# Altium PCB CableNodeRevF Export in PCB ASCII Format.PcbDoc (part 1 of 4) (continued)
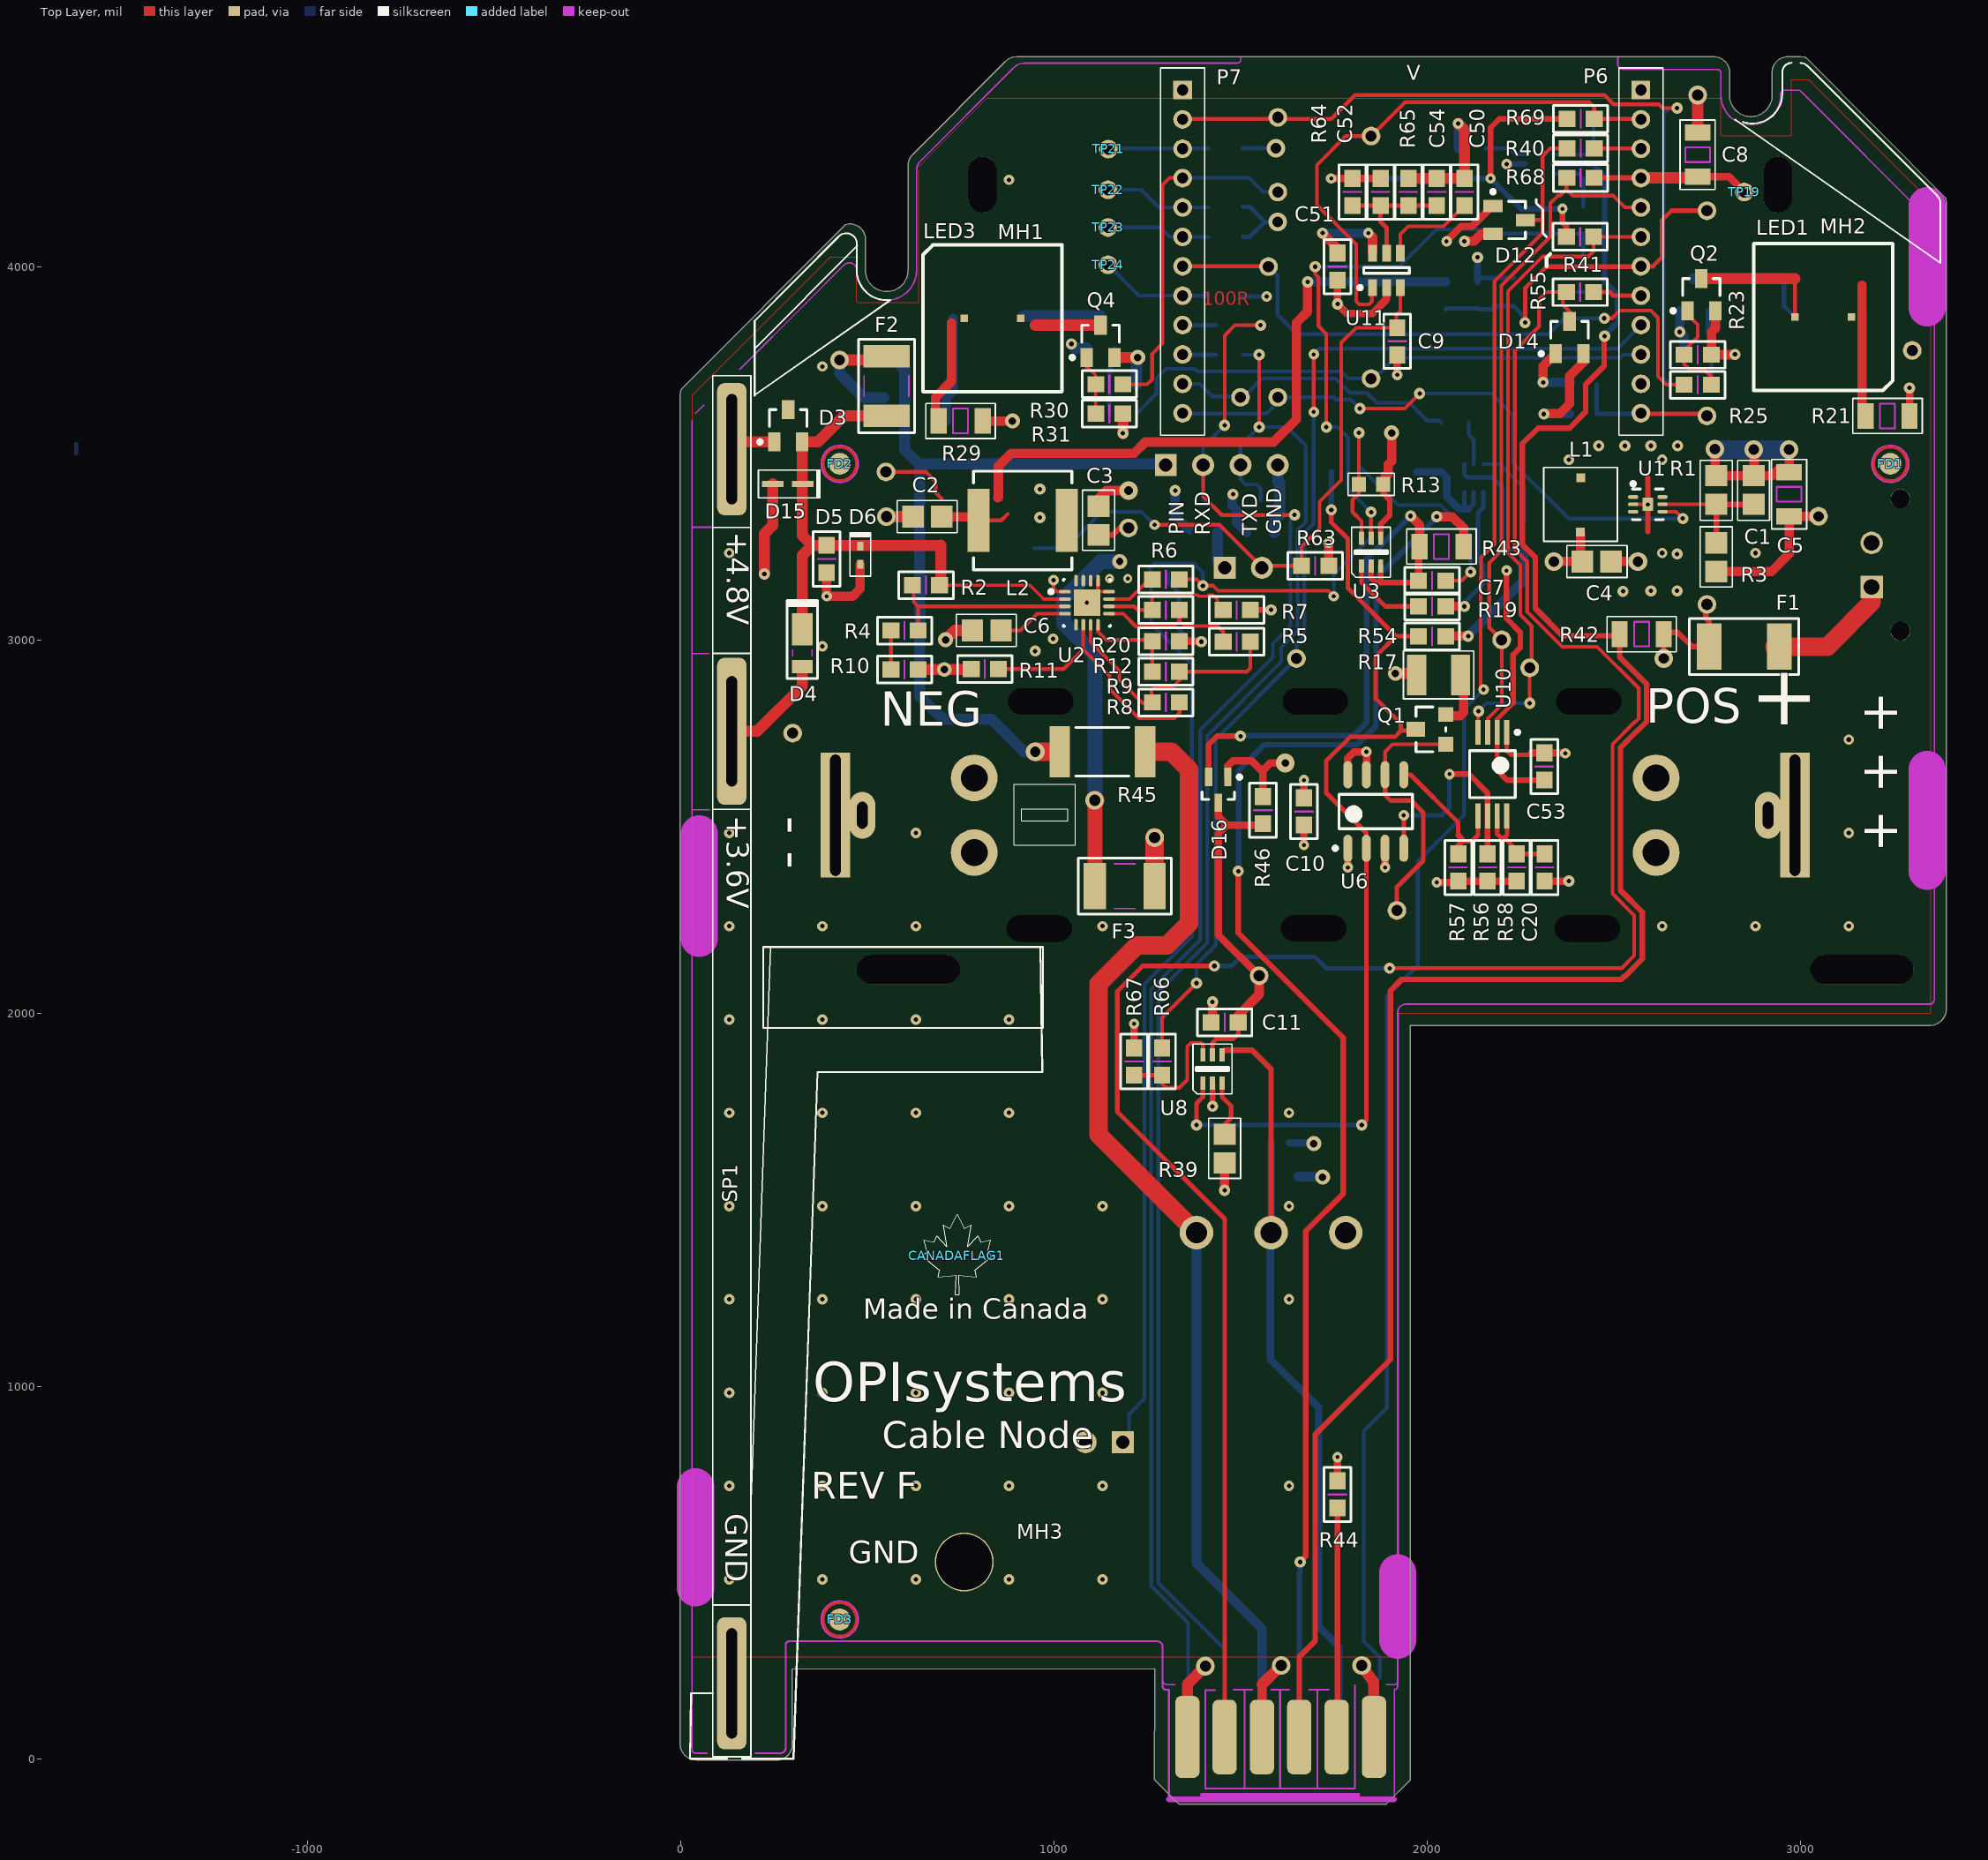
[diagram p0: Top Layer view]
## Design rules (kind name [scope] priority, off if disabled: settings)
AssemblyTestPointUsage [All] p0 off: scope1count=1 scope1_0_kind=Board scope1_0_value=Board scope2count=1 scope2_0_kind=Board scope2_0_value=Board commentlength=0
AssemblyTestPointUsage [All] p1 off: valid=2
AssemblyTestpoint [All] p0 off: scope1count=1 scope1_0_kind=Board scope1_0_value=Board scope2count=1 scope2_0_kind=Board scope2_0_value=Board commentlength=0
AssemblyTestpoint [All] p1 off: testpointundercomponent=TRUE minsize=40 maxsize=100 preferedsize=60 minholesize=0 maxholesize=40 preferedholesize=32 testpointgrid=1 usegrid=TRUE gridtolerance=0.01 allowsidetop=TRUE allowsidebottom=TRUE
Clearance Clearance_VBAT_POS [All] p0: scope1count=1 scope1_0_kind=Net scope1_0_value=VBAT_POS scope2count=1 scope2_0_kind=Board scope2_0_value=Board commentlength=0 gap=20
Clearance Clearance_U10 [All] p0: scope1count=1 scope1_0_kind=Component scope1_0_value=U10 scope2count=1 scope2_0_kind=Board scope2_0_value=Board commentlength=0 gap=5
Clearance Clearance_U2 [All] p0: scope1count=1 scope1_0_kind=Component scope1_0_value=U2 scope2count=1 scope2_0_kind=Board scope2_0_value=Board commentlength=0 gap=7.5
Clearance Clearance_Polies [All] p0 off: scope1count=1 scope1_0_kind=Board scope1_0_value=Board scope2count=1 scope2_0_kind=Board scope2_0_value=Board commentlength=98 gap=10 // Protel DXP Scope 1 Expression Was: (InNamedPolygon('Top GND') OR InNamedPolygon('Bottom GND'))
Clearance Clearance_SP1 [All] p0: scope1count=1 scope1_0_kind=Component scope1_0_value=SP1 scope2count=1 scope2_0_kind=Board scope2_0_value=Board commentlength=0 gap=30
Clearance Clearance_BATT1 [All] p0: scope1count=1 scope1_0_kind=Component scope1_0_value=BATT1 scope2count=1 scope2_0_kind=Board scope2_0_value=Board commentlength=0 gap=20
Clearance Clearance_1 [All] p0: scope1count=1 scope1_0_kind=Board scope1_0_value=Board scope2count=1 scope2_0_kind=Board scope2_0_value=Board commentlength=0 gap=8
Clearance Clearance_U10 [InComponent('U10')] p1: gap=5
Clearance Clearance_U2 [InComponent('U2')] p2: gap=7.5
Clearance Clearance_1 [All] p3: gap=8
Clearance Clearance_Polies [(InNamedPolygon('Top GND') OR InNamedPolygon('Bottom GND'))] p4: gap=10
Clearance Clearance_VBAT_POS [InNet('VBAT_POS')] p5: gap=20
Clearance Clearance_BATT1 [InComponent('BATT1')] p6: gap=20
Clearance Clearance_SP1 [InComponent('SP1')] p7: gap=30
ComponentClearance [All] p0: scope1count=1 scope1_0_kind=Board scope1_0_value=Board scope2count=1 scope2_0_kind=Board scope2_0_value=Board commentlength=0 gap=10 collisioncheckmode=3
DiffPairsRouting [All] p0: scope1count=1 scope1_0_kind=Board scope1_0_value=Board scope2count=1 scope2_0_kind=Board scope2_0_value=Board commentlength=0
FabricationTestPointUsage [All] p0 off: scope1count=1 scope1_0_kind=Board scope1_0_value=Board scope2count=1 scope2_0_kind=Board scope2_0_value=Board commentlength=0 valid=0 allowmultiple=FALSE
FabricationTestPointUsage [All] p1 off: valid=0 allowmultiple=FALSE
FabricationTestpoint [All] p0 off: scope1count=1 scope1_0_kind=Board scope1_0_value=Board scope2count=1 scope2_0_kind=Board scope2_0_value=Board commentlength=0 side=3 testpointundercomponent=TRUE minsize=40 maxsize=100 preferedsize=60 minholesize=0 maxholesize=40 preferedholesize=32 testpointgrid=1
FabricationTestpoint [All] p1 off: side=3 testpointundercomponent=TRUE minsize=40 maxsize=100 preferedsize=60 minholesize=0 maxholesize=40 preferedholesize=32 testpointgrid=1 allowsidetop=TRUE allowsidebottom=TRUE usegrid=TRUE gridtolerance=0.01
FanoutControl Fanout_BGA [All] p0 off: scope1count=1 scope1_0_kind=Board scope1_0_value=Board scope2count=1 scope2_0_kind=Board scope2_0_value=Board commentlength=69 // Protel DXP Scope 1 Expression Was: IsBGA   Fanout_BGA (Default Rule)
FanoutControl Fanout_LCC [All] p0 off: scope1count=1 scope1_0_kind=Board scope1_0_value=Board scope2count=1 scope2_0_kind=Board scope2_0_value=Board commentlength=69 // Protel DXP Scope 1 Expression Was: IsLCC   Fanout_LCC (Default Rule)
FanoutControl Fanout_SOIC [All] p0 off: scope1count=1 scope1_0_kind=Board scope1_0_value=Board scope2count=1 scope2_0_kind=Board scope2_0_value=Board commentlength=71 // Protel DXP Scope 1 Expression Was: IsSOIC   Fanout_SOIC (Default Rule)
FanoutControl Fanout_Small [All] p0 off: scope1count=1 scope1_0_kind=Board scope1_0_value=Board scope2count=1 scope2_0_kind=Board scope2_0_value=Board commentlength=84 // Protel DXP Scope 1 Expression Was: (CompPinCount < 5)   Fanout_Small (Default Rule)
FanoutControl Fanout_Default [All] p0: scope1count=1 scope1_0_kind=Board scope1_0_value=Board scope2count=1 scope2_0_kind=Board scope2_0_value=Board commentlength=30 // Fanout_Default (Default Rule)
Height [All] p0: scope1count=1 scope1_0_kind=Board scope1_0_value=Board scope2count=1 scope2_0_kind=Board scope2_0_value=Board commentlength=0
Height [All] p1: minheight=0 maxheight=1200 prefheight=500
HoleSize [All] p0: scope1count=1 scope1_0_kind=Board scope1_0_value=Board scope2count=1 scope2_0_kind=Board scope2_0_value=Board commentlength=0 absolutevalues=TRUE maxlimit=325 minlimit=1 maxpercent=80.000 minpercent=20.000
HoleSize [All] p1: absolutevalues=TRUE maxlimit=325 minlimit=1 maxpercent=80.000 minpercent=20.000
HoleToHoleClearance [All] p0: scope1count=1 scope1_0_kind=Board scope1_0_value=Board scope2count=1 scope2_0_kind=Board scope2_0_value=Board commentlength=0
LayerPairs [All] p0: scope1count=1 scope1_0_kind=Board scope1_0_value=Board scope2count=1 scope2_0_kind=Board scope2_0_value=Board commentlength=0 enforce=TRUE
MinimumSolderMaskSliver MinimumSolderMaskSliver_1 [All] p0: scope1count=1 scope1_0_kind=Component scope1_0_value=U2 scope2count=1 scope2_0_kind=Board scope2_0_value=Board commentlength=0
MinimumSolderMaskSliver [All] p0: scope1count=1 scope1_0_kind=Component scope1_0_value=U2 scope2count=1 scope2_0_kind=Board scope2_0_value=Board commentlength=0
MinimumSolderMaskSliver MinimumSolderMaskSliver_1 [InComponent('U2')] p1: minsoldermaskwidth=1
MinimumSolderMaskSliver [InComponent('U2')] p2: minsoldermaskwidth=7
NetAntennae [All] p0: scope1count=1 scope1_0_kind=Board scope1_0_value=Board scope2count=1 scope2_0_kind=Board scope2_0_value=Board commentlength=0
PasteMaskExpansion [All] p0: scope1count=1 scope1_0_kind=Board scope1_0_value=Board scope2count=1 scope2_0_kind=Board scope2_0_value=Board commentlength=0 expansion=0
PasteMaskExpansion PasteMaskExpansion_1 [All] p0: scope1count=1 scope1_0_kind=Component scope1_0_value=P4 scope2count=1 scope2_0_kind=Board scope2_0_value=Board commentlength=0 expansion=-130
PasteMaskExpansion PasteMaskExpansion_1 [InComponent('P4')] p1: expansion=-130
PasteMaskExpansion [All] p2: expansion=0
PlaneClearance [All] p0: scope1count=1 scope1_0_kind=Board scope1_0_value=Board scope2count=1 scope2_0_kind=Board scope2_0_value=Board commentlength=0 clearance=20
PlaneClearance [All] p1: clearance=20
PlaneConnect PlaneConnect_1 [All] p0 off: scope1count=1 scope1_0_kind=Board scope1_0_value=Board scope2count=1 scope2_0_kind=Board scope2_0_value=Board commentlength=44 planeconnectstyle=Direct reliefexpansion=20 reliefentries=4 reliefconductorwidth=10 reliefairgap=10 // Protel DXP Scope 1 Expression Was: ISVIA
PlaneConnect [All] p0: scope1count=1 scope1_0_kind=Board scope1_0_value=Board scope2count=1 scope2_0_kind=Board scope2_0_value=Board commentlength=0 planeconnectstyle=Relief reliefexpansion=20 reliefentries=4 reliefconductorwidth=20 reliefairgap=10
PlaneConnect [All] p1: planeconnectstyle=Relief reliefexpansion=20 reliefentries=4 reliefconductorwidth=20 reliefairgap=10
PlaneConnect PlaneConnect_1 [ISVIA] p2: planeconnectstyle=Direct reliefexpansion=20 reliefentries=4 reliefconductorwidth=10 reliefairgap=10
PolygonConnect [All] p0: scope1count=1 scope1_0_kind=Board scope1_0_value=Board scope2count=1 scope2_0_kind=Board scope2_0_value=Board commentlength=0 connectstyle=Relief reliefconductorwidth=20 reliefentries=4 polygonreliefangle="90 Angle"
PolygonConnect PolygonConnect_1 [All] p0 off: scope1count=1 scope1_0_kind=Board scope1_0_value=Board scope2count=1 scope2_0_kind=Board scope2_0_value=Board commentlength=44 connectstyle=Direct reliefconductorwidth=10 reliefentries=4 polygonreliefangle="90 Angle" // Protel DXP Scope 1 Expression Was: ISVIA
PolygonConnect PolygonConnect_1 [ISVIA] p1: connectstyle=Direct reliefconductorwidth=10 reliefentries=4 polygonreliefangle="90 Angle" airgapwidth=10
PolygonConnect [All] p2: connectstyle=Relief reliefconductorwidth=20 reliefentries=4 polygonreliefangle="90 Angle" airgapwidth=15
RoutingCorners [All] p0: scope1count=1 scope1_0_kind=Board scope1_0_value=Board scope2count=1 scope2_0_kind=Board scope2_0_value=Board commentlength=0 cornerstyle=45-Degree minsetback=100 maxsetback=100
RoutingLayers [All] p0: scope1count=1 scope1_0_kind=Board scope1_0_value=Board scope2count=1 scope2_0_kind=Board scope2_0_value=Board commentlength=0 top layer=Automatic bottom layer=Automatic
RoutingPriority [All] p0: scope1count=1 scope1_0_kind=Board scope1_0_value=Board scope2count=1 scope2_0_kind=Board scope2_0_value=Board commentlength=0
RoutingTopology [All] p0: scope1count=1 scope1_0_kind=Board scope1_0_value=Board scope2count=1 scope2_0_kind=Board scope2_0_value=Board commentlength=0 topology=Shortest
RoutingVias [All] p0: scope1count=1 scope1_0_kind=Board scope1_0_value=Board scope2count=1 scope2_0_kind=Board scope2_0_value=Board commentlength=0 holewidth=11 width=28 viastyle="Through Hole" minholewidth=11 minwidth=28 maxholewidth=28 maxwidth=50
RoutingVias [All] p1: holewidth=11 width=28 viastyle="Through Hole" minholewidth=11 minwidth=28 maxholewidth=28 maxwidth=50
ShortCircuit [All] p0: scope1count=1 scope1_0_kind=Board scope1_0_value=Board scope2count=1 scope2_0_kind=Board scope2_0_value=Board commentlength=0 allowed=FALSE
SilkToBoardRegionClearance [All] p0: scope1count=1 scope1_0_kind=Board scope1_0_value=Board scope2count=1 scope2_0_kind=Board scope2_0_value=Board commentlength=0
SilkToSilkClearance [All] p0: scope1count=1 scope1_0_kind=Board scope1_0_value=Board scope2count=1 scope2_0_kind=Board scope2_0_value=Board commentlength=0
SilkToSilkClearance [All] p1: silktosilkclearance=5
SilkToSolderMaskClearance SilkscreenOverComponentPads [All] p0 off: scope1count=1 scope1_0_kind=Board scope1_0_value=Board scope2count=1 scope2_0_kind=Board scope2_0_value=Board commentlength=44 // Protel DXP Scope 1 Expression Was: IsPad
SilkToSolderMaskClearance SilkscreenOverComponentPads [IsPad] p1 off: minsilkscreentomaskgap=6.5 clearancetoexposedcopper=TRUE
SolderMaskExpansion [All] p0: scope1count=1 scope1_0_kind=Board scope1_0_value=Board scope2count=1 scope2_0_kind=Board scope2_0_value=Board commentlength=0 expansion=4
SolderMaskExpansion [All] p1: expansion=4
UnRoutedNet [All] p0: scope1count=1 scope1_0_kind=Board scope1_0_value=Board scope2count=1 scope2_0_kind=Board scope2_0_value=Board commentlength=0
Width [All] p0: scope1count=1 scope1_0_kind=Board scope1_0_value=Board scope2count=1 scope2_0_kind=Board scope2_0_value=Board commentlength=0 maxlimit=50 minlimit=7 preferedwidth=10
Width [All] p1: maxlimit=50 minlimit=7 preferedwidth=10 minimp=50.000000 maximp=50.000000 favimp=50.000000
17 further rules are at their usual default settings.

## Components (designator, comment, footprint, x,y, rotation, side; value= is the part's Value field where it differs from the comment)
BATT1 "26650" Battery_26650 2985.69,2530 r180 bottom locked
C1 "22pF" RC0805 2875,3363.12 r90 top
C2 "4.7uF" RC0805 622.73,3330.01 r0 top
C3 "4.7uF" RC0805 1119.68,3358.01 r270 top
C4 "4.7uF" RC0805 2492.93,3210.01 r180 top
C5 "47uF" RC1206 2970,3390 r90 top
C6 "10nF" RC0805 781.48,3025.01 r0 top
C7 "10nF" RC0603 2013.58,3158.57 r0 top
C8 "47uF" RC1206 2725,4300 r270 top
C9 "1uF" RC0603 1920,3800 r90 top
C10 "0.1uF" RC0603 1670,2540 r270 top
C11 "0.1uF" RC0603 1457.59,1975 r180 top
C20 "0.1uF" RC0603 2315,2390 r90 top
C50 "10nF" RC0603 2100,4200 r270 top
C51 "0.1uF" RC0603 1760,4000 r90 top
C52 "0.1uF (NNP)" RC0603 1875.59,4200 r90 top
C53 "0.1uF" RC0603 2314,2660.55 r270 top
C54 "10nF" RC0603 2025.87,4200 r270 top
CANADAFLAG1 "Canada Flag" CanadaFlag500x250 740,1350 r0 top
CANADAFLAG2 "Canada Flag" CanadaFlag500x250 675,1345 r180 bottom
D1 "DFLS1200-7" POWERDI-123 544.54,3685 r270 bottom
D2 "PGB1010603NR" RC0603 1618.52,1561.66 r180 bottom
D3 "BAV99" SOT23 288.19,3573.66 r0 top
D4 "DFLS1200-7" POWERDI-123 326.19,2991.66 r90 top
D5 "PGB1010603NR" RC0603 391.19,3216.66 r90 top
D6 "ESD5B5.0ST1G" SOD-523 481.19,3226.66 r270 top
D8 "ESD5B5.0ST1G" SOD-523 1606.71,1651.66 r180 bottom
D9 "ESD5B5.0ST1G" SOD-523 1281,3178 r0 bottom
D10 "PGB1010603NR" RC0603 1297,3102 r180 bottom
D11 "BAV99" SOT23 1554,3330 r180 bottom locked
D12 "BAV99" SOT23 2220,4125 r270 top
D13 "BAV99" SOT23 1401.19,3330.01 r180 bottom locked
D14 "BAV99" SOT23 2381.74,3810 r0 top
D15 "DDZ5V6ASF-7" SOD323F 286.88,3417.66 r180 top
D16 "SDMG0340LC" SOT-323 1440.38,2597.9 r270 top
F1 "MINISMDC260F-2" MINISMDC260F 2850,2982.24 r0 top
F2 "MINISMDC050F-2" MINISMD050 551.48,3600 r90 top
F3 "MINISMDC050F-2" MINISMD050 1270,2340 r180 top
FD1 "Fiducial - Round" "FIDUCIAL ROUND SMALL" 3241.19,3471.66 r0 top locked
FD2 "Fiducial - Round" "FIDUCIAL ROUND SMALL" 426.19,3471.66 r0 top locked
FD3 "Fiducial - Round" "FIDUCIAL ROUND SMALL" 426.19,375 r0 top locked
J1 "0436500216" BATTERYCONNECTOR 3191.19,3141.66 r270 bottom
L1 "3.6µH" IND-WURTH 2411.48,3363.12 r90 top
L2 "22µH" IND-SRR0604 916.48,3320.01 r0 top
LED1 "RED" LED-OVS5MXBCR4 3061.48,3865.01 r270 top
LED2 "BLUE" LED-OVS5MXBCR4 3061.48,3865.01 r90 bottom
LED3 "BLUE" LED-OVS5MXBCR4 835.51,3861.64 r90 top
LED4 "RED" LED-OVS5MXBCR4 835.91,3861.64 r270 bottom
MH1 "MountingHole" MountingHole#1 808.35,4240.41 r0 top
MH2 "MountingHole" MountingHole#2 2940,4220 r0 top
MH3 "MountingHole" MountingHole#3 759.73,529 r0 top
P1 "Header 1x2 RA" HDR1X2 1185.13,850 r180 bottom
P2 "Header 4 (NNP)" HDR1X4 1300,3468.21 r0 bottom
P3 "Header 2 (NNP)" HDR1X2 1457.59,3192.91 r0 bottom
P4 "CARDEDGE-06-12" EDGECONNECTORFINGERS 1857.59,60 r180 bottom
P5 "1759020" PC-1757255 1382.1,1411.74 r0 bottom
P6 "3M-951112-8622-AR" HEADER1X12-2MM 2573,4473.43 r270 top
P7 "3M-951112-8622-AR" HEADER1X12-2MM 1345,4473.43 r270 top
Q1 "SI2301BDS" SOT23(DGS) 1970,2760 r90 top
Q2 "SI2302CDS" SOT23 2735,3925 r0 top
Q3 "SI2302CDS" SOT23 2714.58,3925 r180 bottom
Q4 "SI2302CDS" SOT23 1125,3800 r0 top
Q5 "SI2302CDS" SOT23 1125,3825 r180 bottom
Q6 "MMBFJ270" SOT23 2275,3931.89 r90 bottom
R1 "3.24M" RC0805 2775,3363.12 r90 top
R2 "3.83M" RC0603 657.26,3146.64 r0 top
R3 "1.02M" RC0805 2775,3259.81 r270 top
R4 "7.5M" RC0603 600,3025 r0 top
R5 "2M0" RC0603 1490,2995 r0 top
R6 "3.83M" RC0603 1300,3080 r0 top
R7 "4M22" RC0603 1490,3080 r0 top
R8 "4.75M" RC0603 1300,2832.39 r0 top
R9 "3.83M" RC0603 1300,2914.74 r0 top
R10 "7.5M" RC0603 600,2920.64 r0 top
R11 "4M99" RC0603 815,2921.66 r180 top
R12 "5.36M" RC0603 1300,2996.61 r0 top
R13 "1M0" RESC1608X06N 1850,3416.37 r0 top
R15 "27R" RC0603 2075,3582.38 r0 bottom
R16 "10K" RC0603 2259.84,3280.51 r270 bottom
R17 "51R1" RC3225X07N 2031,2906 r0 top
R18 "24R" RES2512 1857.59,3450 r180 bottom
R19 "100K" RC0603 2013.58,3089.67 r0 top
R20 "10K" RC0603 1300,3162.09 r180 top
R21 "22R" RC1206 3233.72,3600 r180 top
R22 "12R" RC1206 3233.72,3600 r180 bottom
R23 "10K" RC0603 2725,3764 r0 top
R24 "10K" RC0603 2725,3764 r180 bottom
R25 "1K" RC0603 2725,3683.51 r0 top
R26 "1K" RC0603 2725,3685 r0 bottom
R27 "100R" RC0603 1470,3843 r0 bottom
R28 "100R" RC0603 1470,3764 r0 bottom
R29 "12R" RC1206 750,3586.64 r180 top
R30 "1K" RC0603 1148.72,3685 r180 top
R31 "10K" RC0603 1148.72,3606 r0 top
R32 "22R" RC1206 770,3586.64 r180 bottom
R33 "1K" RC0603 1185.13,3606 r180 bottom
R34 "10K" RC0603 1185.13,3685 r0 bottom
R35 "1M0" RC0603 2420,3606 r0 bottom
R36 "1M0" RC0603 2050,3925 r270 bottom
R37 "715K" RC0603 2420,3690 r0 bottom
R38 "432K" RC0603 2135.24,3925 r270 bottom
R39 "330R" RC0805 1457.59,1675 r270 top
R40 "100R" RC0603 2411.48,4317 r0 top
R41 "100R" RC0603 2410,3931.89 r0 top
R42 "12R" RC1206 2575,3015.24 r180 top
R43 "12R" RC1206 2038.58,3250 r0 top
R44 "10K" RC0603 1760,710 r270 top
R45 "12R" RES2512 1130,2700 r180 top
R46 "0R (NNP)" RC0603 1560,2543.58 r270 top
R47 "100R" RC0603 2417.93,3968.31 r90 bottom
R50 "10K (NNP)" RC0603 1470,4317 r0 bottom
R51 "10K" RC0603 1470,4160 r0 bottom
R52 "10K" RC0603 1470,4080 r0 bottom
R53 "10K" RC0603 1470,3920 r0 bottom
R54 "2K0" RC0603 2013.58,3009.31 r180 top
R55 "4k7" rc0603 2410,4080 r180 top
R56 "4k7" rc0603 2162.2,2390 r270 top
R57 "4k7" rc0603 2083.51,2390 r270 top
R58 "200K" rc0603 2240,2390 r90 top
R60 "100R" RC0603 2115,4317 r180 bottom
R62 "1K" RC0603 2418.16,4125 r270 bottom
R63 "10K" RC0603 1700.26,3198.47 r180 top
R64 "3M65" rc0603 1800,4200 r270 top
R65 "715K" RC0603 1950,4200 r270 top
R66 "100R" RC0603 1290,1870 r270 top
R67 "100K" RC0603 1215,1870 r90 top
R68 "4k7" rc0603 2411.2,4238 r0 top
R69 "10K" RC0603 2411.48,4396 r0 top
SP1 "MPT3.6-300" SOLAR_PANEL_FLEX 137.01,6.95 r90 top
SW1 "MDSM-4R Reed Switch" MDSM-4 585.51,3245.64 r0 bottom
TP1 "Testpoint" TESTPOINT#1 550,3450 r180 bottom
TP2 "Testpoint" TESTPOINT#2 1201.19,3303 r180 bottom
TP3 "Testpoint" TESTPOINT#3 2750,3150 r180 bottom
TP4 "Testpoint" TESTPOINT#4 3300,3750 r180 bottom
TP5 "Testpoint" TESTPOINT#1 1550,2100 r180 bottom
TP6 "Testpoint" TESTPOINT#5 2000,2250 r180 bottom
TP7 "Testpoint" TESTPOINT#6 1600,4000 r180 bottom
TP8 "Testpoint" TESTPOINT#1 1600,4400 r180 bottom
TP9 "Testpoint" TESTPOINT#7 1600,4300 r180 bottom
TP10 "Testpoint" TESTPOINT#8 1900,3748.98 r180 bottom
TP11 "Testpoint" TESTPOINT#9 2750,3582.38 r180 bottom
TP12 "Testpoint" TESTPOINT#10 2725,4125 r180 bottom
TP13 "Testpoint" TESTPOINT#1 1600,3650 r180 bottom
TP14 "Testpoint" TESTPOINT#11 2300,2900 r180 bottom
TP15 "Testpoint" TESTPOINT#1 2200,3000 r180 bottom
TP16 "Testpoint" TESTPOINT#12 1535,3640 r180 bottom
TP17 "Testpoint" TESTPOINT#13 1750,2950 r180 bottom
TP18 "Testpoint" TESTPOINT#14 348.69,2750 r180 bottom
TP19 "Testpoint" TESTPOINT#1 2850,4200 r90 top
TP20 "Testpoint" TESTPOINT#6 1850,4375 r270 bottom
TP21 "Testpoint" TESTPOINT#15 1150,4350 r90 top
TP22 "Testpoint" TESTPOINT#16 1140,4249.41 r90 top
TP23 "Testpoint" TESTPOINT#17 1140,4150 r90 top
TP24 "Testpoint" TESTPOINT#18 1145,4030 r90 top
U1 "LTC3526LBEDC-2" LTC3526 2591.48,3363.12 r270 top
U2 "BQ25504RGT" BQ25504 1088.68,3099.51 r0 top
U3 "FDG6342L" TS5A3160 1850,3235 r90 top
U5 "FDG6342L" TS5A3160 2125,3433.46 r90 bottom
U6 "DS2482S-100+" SOIC127P580X153-8N 1862.5,2540 r90 top
U8 "NLAS4157D" TS5A3160 1425,1850 r90 top
U9 "NLAS4157D" TS5A3160 2300,4275 r0 bottom
U10 "PCA9306DP" TSOP65P640X120-8N 2175,2640 r270 top
U11 "TPS3808G01DBV" SOT95P270X145-6N 1891.26,3990 r90 top

## Footprints (in the part's own frame and the unit in brackets; to place one, negate y for a bottom-side part, rotate by r counter-clockwise, add the part's x,y. Pads: shape width x height; smd on the part's side, far side on the other; paste and mask are expansions set on the pad)
Battery_26650 [mil] "Battery, 26mm x 65mm, Keystone Clips + Solder Tabs"
  oval 173.23x59.06 hole 70 slot 175 at 0 deg unplated: 0(552.28,304.88) 0(556.22,-303.27) 0(1285.43,305) 0(1289.37,-303.15) 0(2020.87,304.88) 0(2024.8,-303.27)
  rect 78.74x334.65 hole 28 slot 324.8 at 90 deg: 1(0,0) 5(2570.87,0)
  oval 70x125 hole 28 slot 72 at 90 deg: 2(72,0) 6(2499,0)
  round 125 hole 72: 3(372,100) 4(372,-100) 7(2199,100) 8(2199,-100)
  silkscreen extent -80,-354 2651,518
BATTERYCONNECTOR [mm] "Molex Header, 0436500215, 2Pin, 3MM"
  rect 1.524x1.524 hole 1.07: 1(0,0)
  round 1.524 hole 1.07: 2(-3.001,0.001)
  round 1.32 hole 1.32 unplated: 3(-6,-1.96) 4(3,-1.96)
  silkscreen extent -6.3,-2.49 3.36,3.08
BQ25504 [mm] "QFN, 16-Leads, Body 3.2x3.2mm (max), Pitch 0.50mm, IPC Medium Density"
  oval 0.8x0.25 smd: 1(-1.5,0.75) 2(-1.5,0.25) 3(-1.5,-0.25) 4(-1.5,-0.75) 9(1.5,-0.75) 10(1.5,-0.25) 11(1.5,0.25) 12(1.5,0.75)
  oval 0.25x0.8 smd: 5(-0.75,-1.5) 6(-0.25,-1.5) 7(0.25,-1.5) 8(0.75,-1.5) 13(0.75,1.5) 14(0.25,1.5) 15(-0.25,1.5) 16(-0.75,1.5)
  rect 1.8x1.8 smd: 17(0,0)
  silkscreen extent -2.57,-1.6 1.6,1.6
CanadaFlag500x250 [mil] "CanadaFlag, 500x250 mils"
  silkscreen extent -94,-105 96,111
EDGECONNECTORFINGERS [mil] "Connector, Edge, Fingers, 12 Pads, 2 Rows, 6 Contacts per row"
  rrect50% 65x200 smd: 1(0,0) 3(100,0) 5(200,0) 7(300,0) 9(400,0) 11(500,0)
  rrect50% 65x220 smd far side: 2(0,0) 12(500,0)
  rrect50% 65x200 smd far side: 4(100,0) 6(200,0) 8(300,0) 10(400,0)
"FIDUCIAL ROUND SMALL" [mm] "FIDUCIAL ROUND"
  round 1.5 all layers, no hole paste+0 mask+0.559: 0(0,0)
  Top Layer circle w0.203: c0,0 r1.143
  Bottom Layer circle w0.203: c0,0 r1.143
  Keep-Out Layer circle w0.1: c0,0 r1.27
HDR1X2 [mm] "Connector; Header; 2 Position"
  rect 1.5x1.5 hole 0.9: 1(0,0)
  round 1.5 hole 0.9: 2(2.54,0)
  silkscreen extent -1.27,-1.27 3.81,1.27
HDR1X4 [mm] "Connector; Header; 4 Position"
  rect 1.5x1.5 hole 0.9: 1(0,0)
  round 1.5 hole 0.9: 2(2.54,0) 3(5.08,0) 4(7.62,0)
  silkscreen extent -1.27,-1.27 8.89,1.27
HEADER1X12-2MM [mil] "Connector, Header, 1x12 positions, Male, 2mm pitch"
  rect 50x50 hole 30: 1(0,0)
  round 50 hole 30: 2(78.74,0) 3(157.48,0) 4(236.22,0) 5(314.96,0) 6(393.7,0) 7(472.44,0) 8(551.18,0) 9(629.92,0) 10(708.66,0) 11(787.4,0) 12(866.14,0)
  silkscreen extent -59,-59 925,59
IND-SRR0604 [mm]
  rect 1.5x4.3 smd: A(-3,0) B(3,0)
  silkscreen extent -3.35,-3.35 3.35,3.35
IND-WURTH [mm] "Precision Wire Wound Inductor, 2-Leads, Body 3.8x3.8mm, IPC Medium Density"
  rect 0.6x0.6 smd: A(-1.894,0.006) B(1.818,0)
  silkscreen extent -2.52,-2.51 2.52,2.51
LED-OVS5MXBCR4 [mm] "LED, Water Clear Lens, 3.5mm x 3.5mm x 1.2mm"
  rect 0.5x0.5 smd paste+0 mask+0: A(0,1.925) K(0,-1.925)
  Top Layer keep-out lines w0.127: 4.978,-0.381 4.978,0.377 ; -5,-0.381 -5,0.377
  silkscreen extent -5,-4.72 5,4.73
LTC3526 [mm] "QFN, 6-Leads, Pitch 0.50mm, IPC Medium Density"
  oval 0.25x0.7 smd: 1(-0.5,-1) 2(0,-1) 3(0.5,-1) 4(0.5,1) 5(0,1) 6(-0.5,1)
  rect 0.9x0.7 smd: 7(0,0)
  silkscreen extent -1.52,-1.12 1.05,1.05
MDSM-4 [mm] "Reed Switch, 2-Leads, Body 16x2.84mm, IPC Medium Density"
  rect 2.34x1.3 smd: 1(-9.17,0) 2(9.17,0)
  silkscreen extent -10.79,-1.5 10.78,1.5
MINISMD050 [mil] "Polyfuse,"
  rect 60x124 smd: 1(0,0) 2(160,0)
  Top Layer keep-out lines w4: 52,60 108,60 ; 52,-60 108,-60
  silkscreen extent -45,-75 205,75
MINISMDC260F [mm] "Polyfuse, Body 45x32mm, Case 1812"
  rect 1.68x3.15 smd: 1(-2.39,0) 2(2.39,0)
  silkscreen extent -3.74,-1.91 3.71,1.91
MountingHole#1 [mil] "PCB Mounting Hole, 0.150\" hole, 0.270\" Keepout"
  oval 75x150 hole 75 slot 150 at 90 deg: 1(0,-20.41)
MountingHole#2 [mil] "PCB Mounting Hole, 0.150\" hole, 0.270\" Keepout"
  oval 75x150 hole 75 slot 150 at 90 deg: 1(0,0)
MountingHole#3 [mil] "PCB Mounting Hole, 0.150\" hole, 0.270\" Keepout"
  round 157.48 hole 150: 1(0,0)
PC-1757255 [mil] "Connector, 3 Pin, Right Angle, Phoenix Contact, PTH"
  round 90 hole 57: 1(0,0) 2(200,0) 3(400,0)
  silkscreen extent -140,-79 538,393
POWERDI-123 [mm] "Molded Diode, DFLS1200, 2-Leads, Body 2.8x1.8mm, IPC Medium Density"
  rect 0.9x1.4 smd: 1(-1.625,0)
  rect 2.2x1.4 smd: 2(0.925,0)
  silkscreen extent -2.41,-1.04 2.9,1.04
RC0603 [mm] "Resistor, Capacitor, 0603"
  rect 1.15x1.1 smd: 1(-0.925,0) 2(0.925,0)
  Top Layer keep-out lines w0.127: 0,-0.6 0,0.6
  silkscreen extent -1.85,-0.91 1.85,0.91
rc0603 [mm] "Resistor, Capacitor, 0603"
  rect 1.15x1.1 smd: 1(-0.925,0) 2(0.925,0)
  Top Layer keep-out lines w0.127: 0,0.6 0,-0.6
  silkscreen extent -1.85,-0.91 1.85,0.91
RC0805 [mm]
  rect 1.45x1.5 smd: 1(0,0) 2(1.95,0)
  silkscreen extent -1.09,-1.09 3,1.09
RC1206 [mm] "1206 Footprint"
  rect 1.1x1.75 smd: 1(-1.5,0) 2(1.5,0)
  Top Layer keep-out lines w0.127: -0.508,0.838 -0.508,-0.838 0.508,-0.838 0.508,0.838 -0.508,0.838
  silkscreen extent -2.36,-1.19 2.36,1.19
RC3225X07N [mm] "Chip Resistor, 2-Leads, Body 3.2x2.5mm, IPC Medium Density"
  rect 1.3x2.75 smd: 1(-1.5,0) 2(1.5,0)
  silkscreen extent -2.4,-1.62 2.4,1.63
RES2512 [mm]
  rect 1.4x3.5 smd: 1(-2.9,0) 2(2.9,0)
  silkscreen extent -1.8,-1.65 1.8,1.65
RESC1608X06N [mm] "Chip Resistor, 2-Leads, Body 1.6x0.8mm, IPC Medium Density"
  rect 0.95x1 smd: 1(-0.825,0) 2(0.825,0)
  silkscreen extent -1.58,-0.75 1.58,0.76
SOD323F [mm] "SOD323F, 2-Leads, Body 1.4x1.8mm (max), Pitch 0.65mm, IPC Medium Density"
  rect 1.45x0.4 smd: 1(-1.025,0) 2(1.025,0)
  silkscreen extent -2.2,-0.95 2,0.95
SOD-523 [mm] "Molded Diode, 2-Leads, Body 1.2x0.8mm, IPC Medium Density"
  rect 0.6x0.4 smd: 1(-0.625,0) 2(0.625,0)
  silkscreen extent -1.52,-0.7 1.43,0.7
SOIC127P580X153-8N [mm] "SOIC, 8-Leads, Body 5.0x4.0mm (max), Pitch 1.27mm, IPC Medium Density"
  oval 1.85x0.6 smd: 1(-2.5,1.905) 2(-2.5,0.635) 3(-2.5,-0.635) 4(-2.5,-1.905) 5(2.5,-1.905) 6(2.5,-0.635) 7(2.5,0.635) 8(2.5,1.905)
  silkscreen extent -2.62,-2.5 1.17,2.88
SOLAR_PANEL_FLEX [mm] "Solar Panel, Flexible, 3.6V and 4.8V footprints"
  rrect50% 9x2 hole 0.711 slot 7.5 at 0 deg: 1(5,0) 3(89,0)
  rrect50% 10x2 hole 0.711 slot 7.5 at 0 deg: 2(69.8,0)
  silkscreen extent 0,-1.3 94,1.3
SOT23 [mm] "SOT-23; 3 Leads; Body 3.0 x 2.6 mm, inc. leads (LxW max)"
  rect 0.85x1.3 smd: 1(-0.95,-1.1) 2(0.95,-1.1) 3(0,1.1)
  silkscreen extent -2.05,-1.22 1.28,1.1
SOT23(DGS) [mil]
  rect 40x50 smd: D(0,0)
  rect 40x40 smd: G(-40,-80) S(40,-80)
  silkscreen extent -60,-80 60,0
SOT95P270X145-6N [mm] "SOT23, 6-Leads, Body 3.1x3.2mm (max), Pitch 0.95mm, IPC Medium Density"
  rect 1.15x0.6 smd: 1(-1.175,0.95) 2(-1.175,0) 3(-1.175,-0.95) 4(1.175,-0.95) 5(1.175,0) 6(1.175,0.95)
  silkscreen extent -1.3,-1.55 0.2,1.92
SOT-323 [mm] "SOT323, 3-Leads, Body 1.97x2.10mm, Pitch 0.65mm, IPC Medium Density"
  rect 1.25x0.5 smd: 1(-0.875,0.65) 2(-0.875,-0.65) 3(0.875,0)
  silkscreen extent -1,-1.1 0.65,1.58
TESTPOINT#1 [mil] "Thru Hole Multilayer Testpoint"
  round 50 hole 30: 1(0,0)
TESTPOINT#2 [mil] "Thru Hole Multilayer Testpoint"
  round 50 hole 30: 1(1.19,-3)
TESTPOINT#3 [mil] "Thru Hole Multilayer Testpoint"
  round 50 hole 30: 1(0,-55.1)
TESTPOINT#4 [mil] "Thru Hole Multilayer Testpoint"
  round 50 hole 30: 1(0,25.46)
TESTPOINT#5 [mil] "Thru Hole Multilayer Testpoint"
  round 50 hole 30: 1(80.84,25)
TESTPOINT#6 [mil] "Thru Hole Multilayer Testpoint"
  round 50 hole 30: 1(25,0)
TESTPOINT#7 [mil] "Thru Hole Multilayer Testpoint"
  round 50 hole 30: 1(0,-100)
TESTPOINT#8 [mil] "Thru Hole Multilayer Testpoint"
  round 50 hole 30: 1(50,-48.98)
TESTPOINT#9 [mil] "Thru Hole Multilayer Testpoint"
  round 50 hole 30: 1(0,17.62)
TESTPOINT#10 [mil] "Thru Hole Multilayer Testpoint"
  round 50 hole 30: 1(-25,25)
TESTPOINT#11 [mil] "Thru Hole Multilayer Testpoint"
  round 50 hole 30: 1(25,25)
TESTPOINT#12 [mil] "Thru Hole Multilayer Testpoint"
  round 50 hole 30: 1(35,10)
TESTPOINT#13 [mil] "Thru Hole Multilayer Testpoint"
  round 50 hole 30: 1(100,0)
TESTPOINT#14 [mil] "Thru Hole Multilayer Testpoint"
  round 50 hole 30: 1(48.69,0)
TESTPOINT#15 [mil] "Thru Hole Multilayer Testpoint"
  round 50 hole 30: 1(-35,4)
TESTPOINT#16 [mil] "Thru Hole Multilayer Testpoint"
  round 50 hole 30: 1(-43.38,-5)
TESTPOINT#17 [mil] "Thru Hole Multilayer Testpoint"
  round 50 hole 30: 1(-45,-5)
TESTPOINT#18 [mil] "Thru Hole Multilayer Testpoint"
  round 50 hole 30: 1(-25,0)
TS5A3160 [mm] "SOT23, 6-Leads, Body 2.2x2.4mm (max), Pitch 0.65mm, IPC Medium Density"
  rect 0.9x0.35 smd: 1(-0.95,0.65) 2(-0.95,0) 3(-0.95,-0.65) 4(0.95,-0.65) 5(0.95,0) 6(0.95,0.65)
  silkscreen extent -1.7,-1.32 1.7,1.33
TSOP65P640X120-8N [mm] "TSOP, 8-Leads, Body 3.00x4.40mm, Pitch 0.65mm, IPC Medium Density"
  rect 1.7x0.35 smd: 1(-2.85,0.975) 2(-2.85,0.325) 3(-2.85,-0.325) 4(-2.85,-0.975) 5(2.85,-0.975) 6(2.85,-0.325) 7(2.85,0.325) 8(2.85,0.975)
  silkscreen extent -2.97,-1.55 1.6,1.83

## Part data
BATT1: library part BATT_18650_1, "26650 LiFePO4 3.2V 3300mAh"
C1: library part CC0805JRNPO9BN220, "CAP CER 22PF 50V 5% NPO 0805"
C2 C3 C4: library part JMK212BJ475KG-T, "CAP CER 4.7UF 6.3V 10% X5R 0805"
C5 C8: library part LMK316BJ476ML-T, "CAP CER 47UF 10V 20% X5R 1206"
C6: library part C2012X7R2A103K, "CAP CER 10000PF 100V X7R 0805"
C7 C50 C54: library part C1608X7R1H103K, "CAP CER 10000PF 50V 10% X7R 0603"
C9: library part 0603ZD105KAT2A, "CAP CER 1UF 10V 10% X5R 0603"
C10 C11 C20 C51 C52 C53: library part 0603YC104KAT2A, "CAP CERM .1UF 10% 16V X7R 0603"
CANADAFLAG1 CANADAFLAG2: library part CanadaFlag
D1 D4: "DIODE SCHOTTKY 1A 200V PWRDI 123"
D2 D5 D10: "SUPPRESSOR ESD 24VDC 0603 SMD"
D3 D11 D12 D13 D14: library part BAV99-7-F, "DIODE SW DUAL 75V 350MW SOT23-3"
D6 D8 D9: "TVS BIDIRECT 50W SOD523"
D15: "DIODE ZENER 5.42V 500MW SOD323F"
D16: library part SDMG0340LC-7-F, "DIODE SCHOTTKY 40V 30MA SOT323"
F1: "POLYSWITCH 2.6A RESET FUSE SMD"
F2 F3: "POLYSWITCH .50A RESET FUSE SMD"
FD1 FD2 FD3: library part Fiducial, "Fiducial Round"
J1: "CONN HEADER 2POS 3MM VERT GOLD"
L1: library part 744031003, "INDUCTOR POWER 3.6UH 1.38A SMD"
L2: library part SRR0604-220ML, "INDUCTOR PWR 22UH 20% SHIELD SMD"
LED1 LED4: library part OVS5MRBCR4, "LED 0.33W RED WTR CLR 3.5MM"
LED2 LED3: library part OVS5MBBCR4, "LED 0.48W BLUE WTR CLR 3.5MM"
MH1 MH2 MH3: "PCB Mounting Hole, 0.150\" hole, 0.270\" Keepout"
P1: library part M20-9960245, "SIL HORIZ PC TAIL PIN HEADER"
P2: library part "Header 4", "Header, 4-Pin"
P3: library part "Header 2", "Header, 2-Pin"
P4: "CONN EDGECARD 6POS .100 FINGERS"
P5: "CONN HEADER RT ANG 3POS 5.08MM"
P6 P7: "CONN HEADER 12POS 2MM VERT T/H"
Q1: library part SI2301BDS-T1-E3, "MOSFET P-CH 20V 2.2A SOT23-3"
Q2 Q3 Q4 Q5: library part SI2302CDS-T1-GE3, "MOSFET N-CH 20V 2.6A SOT23-3"
Q6: "IC SWITCH P-CHANNEL SOT-23"
R1: library part CRCW08053M24FKEA, "RES 3.24M OHM 1/8W 1% 0805 SMD"
R2 R6 R9: library part CRCW06033M83FKEA, "RES 3.83M OHM 1/10W 1% 0603 SMD"
R3: library part CRCW08051M02FKEA, "RES 1.02M OHM 1/8W 1% 0805 SMD"
R4 R10: library part CRCW06037M50FKEA, "RES 7.50M OHM 1/10W 1% 0603 SMD"
R5: library part CRCW06032M00FKEA, "RES 2.00M OHM 1/10W 1% 0603 SMD"
R7: library part CRCW06034M22FKEA, "RES 4.22M OHM 1/10W 1% 0603 SMD"
R8: library part CRCW06034M75FKEA, "RES 4.75M OHM 1/10W 1% 0603 SMD"
R11: library part CRCW06034M99FKEA, "RES 4.99M OHM 1/10W 1% 0603 SMD"
R12: library part "CRCW06035M36FKEA (2)", "RES 5.36M OHM 1/10W 1% 0603 SMD"
R13: library part ERJ-3GEYJ105V, "RES 1.0M OHM 1/10W 5% 0603 SMD"
R15: library part ERJ-3EKF27R0V, "RES 27.0 OHM 1/10W 1% 0603 SMD"
R16 R20 R23 R24 R31 R34 R44 R50 R51 R52 R53 R63 R69: library part ERJ-3GEYJ103V, "RES 10K OHM 1/10W 5% 0603 SMD"
R17: library part ERJ-14NF51R1U, "RES 51.1 OHM 1/2W 1% 1210 SMD"
R18: library part RMCF2512JT24R0, "RES 24 OHM 1W 5% 2512 SMD"
R19 R67: library part ERJ-3GEYJ104V, "RES 100K OHM 1/10W 5% 0603 SMD"
R21 R32: library part RC1206FR-0722RL, "RES 22.0 OHM 1/4W 1% 1206 SMD"
R22 R29 R42 R43: library part RC1206FR-0712RL, "RES 12.0 OHM 1/4W 1% 1206 SMD"
R25 R26 R30 R33 R62: library part ERJ-3GEYJ102V, "RES 1.0K OHM 1/10W 5% 0603 SMD"
R27 R28 R40 R41 R47 R60 R66: library part ERJ-3GEYJ101V, "RES 100 OHM 1/10W 5% 0603 SMD"
R35 R36: library part ERJ-3EKF1004V, "RES 1.00M OHM 1/10W 1% 0603 SMD"
R37 R65: library part ERJ-3EKF7153V, "RES 715K OHM 1/10W 1% 0603 SMD"
R38: library part ERJ-3EKF4323V, "RES 432K OHM 1/10W 1% 0603 SMD"
R39: library part ERJ-6GEYJ331V, "RES 330 OHM 1/8W 5% 0805 SMD"
R45: library part RPC2512JT12R0, "RES 12 OHM 1W 5% 2512"
R46: library part ERJ-3GEY0R00V, "RES 0.0 OHM 1/10W 0603 SMD"
R54: library part ERJ-3EKF2001V, "RES 2K OHM 1/10W 1% 0603 SMD"
R55 R56 R57 R68: library part ERJ-3GEYJ472V, "RES 4.7K OHM 1/10W 5% 0603 SMD"
R58: library part ERJ-3GEYJ204V, "RES 200K OHM 1/10W 5% 0603 SMD"
R64: library part RC1608F3654CS, "RES 3M65 OHM 1/10W 1% 0603 SMD"
SP1: library part SOLAR_PANEL, "Solar Panel, Flexible, 3.6V and 4.8V footprints"
SW1: library part "MDSM-4R 12-18", "SWITCH REED MAG SMT 12-18AT"
U1: "IC REG BOOST SYNC ADJ 0.55A 6DFN"
U2: library part BQ25504RGTT, "IC ENERGY HARV CTRLR BATT 16QFN"
U3 U5: "IC LOAD SWITCH INTEGRATED SC70-6"
U6: "IC BRIDGE I2C TO 1-WIRE 8-SOIC"
U8 U9: library part NLAS4157DFT2G, "IC SWITCH SPDT SC88"
U10: "IC LEVEL TRANSLATOR - TSSOP8"
U11: "Low Quiescent Current, Programmable-Delay  Supervisory Circuit"

## Free pads (board coordinates)
  oval 275.59x78.74 hole 78.74 slot 275.59 at 0 deg unplated: 0(610.19,2116.66) 0(3165.19,2116.66)
  round 50 hole 28: 0(3048.7,3330.94)
  round 50 hole 30: 1(1270,2470)

## Via types
v1: diameter 30, hole 12, Top Layer to Bottom Layer, tented both sides, 65 vias
v2: diameter 28, hole 12, Top Layer to Bottom Layer, tented both sides, 60 vias
v3: diameter 28, hole 11, Top Layer to Bottom Layer, tented both sides, 27 vias
v4: diameter 50, hole 28, Top Layer to Bottom Layer, 10 vias
v5: diameter 40, hole 20, Top Layer to Bottom Layer, tented both sides, 9 vias
v6: diameter 50, hole 30, Top Layer to Bottom Layer, 5 vias
v7: diameter 24, hole 11, Top Layer to Bottom Layer, tented both sides, 2 vias
v8: diameter 50, hole 20, Top Layer to Bottom Layer, tented both sides, 1 vias
v9: diameter 50, hole 30, Top Layer to Bottom Layer, tented both sides, 1 vias
v10: diameter 50, hole 24, Top Layer to Bottom Layer, 1 vias
v11: diameter 28, hole 11, Top Layer to Bottom Layer, 1 vias

## Nets (pads, with @x,y where several pads share a name; then routed paths per layer and width w, separated by ;. In a path a pad name is that pad's centre, name@x,y a point inside that pad or via, vN(x,y) a via of type N, cw(c..) or ccw(c..) an arc to the next point about the centre after c; other vN are vias at no path point)
5V: C1.2 C5.2 C10.2 D16.1 P4.8 R1.2 R16.2 R17.1 R21.1 R22.1 R29.1 R32.1 R46.1 R54.1 R56.2 R57.2 R58.1 TP4.1 U1.6 U5.4 U6.1 | length 2457.1
  Top Layer w20: D16.1@1465.97,2632.34 1465.97,2661.89 1480,2675.91 1530,2675.91 1560,2645.91 ; R46.1@1560,2580 1560,2645.91 ; v8(1620,2670) 1580,2670 1560,2650 1560,2645.91 ; v3(1670,2450) C10.2@1670,2503.58 ; v3(1787.5,2390) U6.1@1787.5,2441.57 ; v3(2025.87,2350) 2079.92,2350 R57.2@2083.51,2353.58 R56.2@2162.2,2353.58 R58.1@2240,2353.58 ; R21.1@3292.78,3600 v1(3292.78,3675)
  Top Layer w25: R29.1@809.06,3586.64 v5(889,3586.64) ; P4.8@1557.59,74 1557.59,200.27 ; R54.1@2051.42,3010 v1(2110,3010) ; R1.2@2771.48,3439.79 v4(2771.48,3510.89) ; R1.2@2775,3439.89 C1.2@2875,3439.89 C1.2@2876.44,3439.89 ; v4@2876.44,3500.81 C1.2@2876.44,3439.89 ; C5.2@2970,3449.06 C5.2@2970,3459.06 ; v4(2970,3510) C5.2@2970,3459.06 ; C1.2@2876.44,3439.89 2925,3439.89 2944.17,3459.06 C5.2@2970,3459.06
  Top Layer w30: 1557.59,200.27 v6(1608.98,251.66) ; v5(1915,2910) 1969.53,2910 R17.1@1979.53,2900
  Bottom Layer w12: U5.4@2099.41,3470.86 2099.41,3443.9 2107.72,3435.58 2174.46,3435.58 2200.79,3409.25 2200.79,3259.84 2216.54,3244.09 R16.2@2259.84,3244.09
  Bottom Layer w20: R22.1@3292.78,3600 v1@3292.78,3667.78
  Bottom Layer w25: R32.1@829.06,3586.64 v5(889,3586.64) ; v1(2110,3010) 2259.84,3159.84 R16.2@2259.84,3244.09
  Bottom Layer w50: v4@2772.37,3510 v4(2875.13,3510) v4(2970,3510)
A2D_VBAT: P6.12 R35.2 R37.2 TP11.1 | length 376.9
  Top Layer w12: P6.12@2573,3606 2744,3606 TP11.1@2750,3600
  Bottom Layer w12: R37.2@2454.57,3685 2454.57,3606 P6.12@2573,3606
A2D_VSOLAR: P6.7 Q6.1 R36.2 R38.2 TP12.1 | length 969
  Top Layer w12: v1(2262.6,3850) 2262.6,3942.13 2320.46,4000 2550,4000 2551,4001 2573,4001 2605.36,4001 2629.98,4025.62 2629.98,4125 2654.98,4150 TP12.1@2750,4150
  Bottom Layer w12: R36.2@2050,3885.58 2053,3888.58 R38.2@2135.24,3888.58 2138.24,3885.58 2172,3885.58 2180.91,3894.49 Q6.1@2231.69,3894.49 2262.6,3863.58 v1(2262.6,3850)
CONSTANT_POWER: C11.1 D16.3 R46.2 TP5.1 U8.5 | length 916.6
  Top Layer w12: U8.5@1425,1887.4 1425,1920 1435,1930 1480,1930 1494,1944 C11.1@1494,1975
  Top Layer w20: D16.3@1440.38,2563.45 1440.38,2527.17 1463.97,2503.58 ; TP5.1@1550,2100 1440.38,2209.62 1440.38,2480 1463.97,2503.58 ; R46.2@1560,2507.17 1556.42,2503.58 1463.97,2503.58
  Top Layer w25: C11.1@1494,1975 1494,1994 1550,2050 TP5.1@1550,2100
DQ_CHANNEL_0: D2.2 D8.2 P4.3 P5.2 U8.4 | length 2255.9
  Top Layer w15: U8.4@1450.59,1887.4 1450.59,1893.01 1457.59,1900 1531.19,1900 1582.1,1849.09 P5.2@1582.1,1411.74
  Bottom Layer w15: P5.2@1580,1409.63 P5.2@1582.1,1411.74
  Bottom Layer w20: P5.2@1580,1409.63 1580,1072.1 1709.45,942.66 1709.45,355.72 1764,301.17 1764,80.41 P4.3@1757.59,74 ; P5.2@1582.1,1411.74 D2.2@1582.1,1561.66 D8.2@1582.1,1651.66
DQ_CONNECT: P6.9 R66.1 TP17.1 | length 2936.6
  Top Layer w10: R66.1@1290,1906.42 1290,1987.9 v1(1382.1,2080) ; v3(1696.32,3610.72) v3(1696.32,3764.98)
  Bottom Layer w10: v1(1382.1,2080) 1382.1,2130.1 1433.58,2181.58 1433.58,2733.58 TP17.1@1650,2950 1650,2990 1671,3011 1671,3286.69 1696.32,3312.01 v3(1696.32,3610.72) ; v3(1696.32,3764.98) 1696.32,3766.32 1710,3780 2510,3780 P6.9@2573,3843
DQ_DEFIB: P7.11 R15.1 TP16.1 | length 776.1
  Bottom Layer w10: P7.11@1345,3686.02 1390.7,3686.02 1391.73,3685 1392.24,3685 1425,3652.24 1510,3652.24 1557.76,3700 1754.88,3700 1792.88,3662 1838,3662 1865,3635 1952.5,3635 2000,3587.5 2033.46,3587.5 R15.1@2038.58,3582.38
DQ_MASTER: Q1.D R18.2 R54.2 U6.2 U8.1 | length 2724.2
  Top Layer w12: v1(1382.1,1700) 1382.1,1757.69 1399.41,1775 U8.1@1399.41,1812.6 ; v1(1743.41,3348.32) 1743.41,3315 1787.5,3270.91 1787.5,3139.21 1916.71,3010 ; v1(1825,1700) 1837.5,1712.5 U6.2@1837.5,2441.57 1837.5,2482.5 1730,2590 1730,2675.91 1794.09,2740 1913.32,2740 1930.02,2756.69 ; R54.2@1978.58,3010 1916.71,3010 ; Q1.D@1979.53,2756.69 1930.02,2756.69 ; 1916.71,3010 1862.5,2955.79 1862.5,2842.51 1930.02,2775 1930.02,2756.69
  Bottom Layer w12: 1400,1700 v1(1825,1700)
  Bottom Layer w15: v1@1743.41,3354.9 R18.2@1743.41,3450